# Altium PCB Power_Board_PCB.PcbDoc (part 1 of 3) (continued)
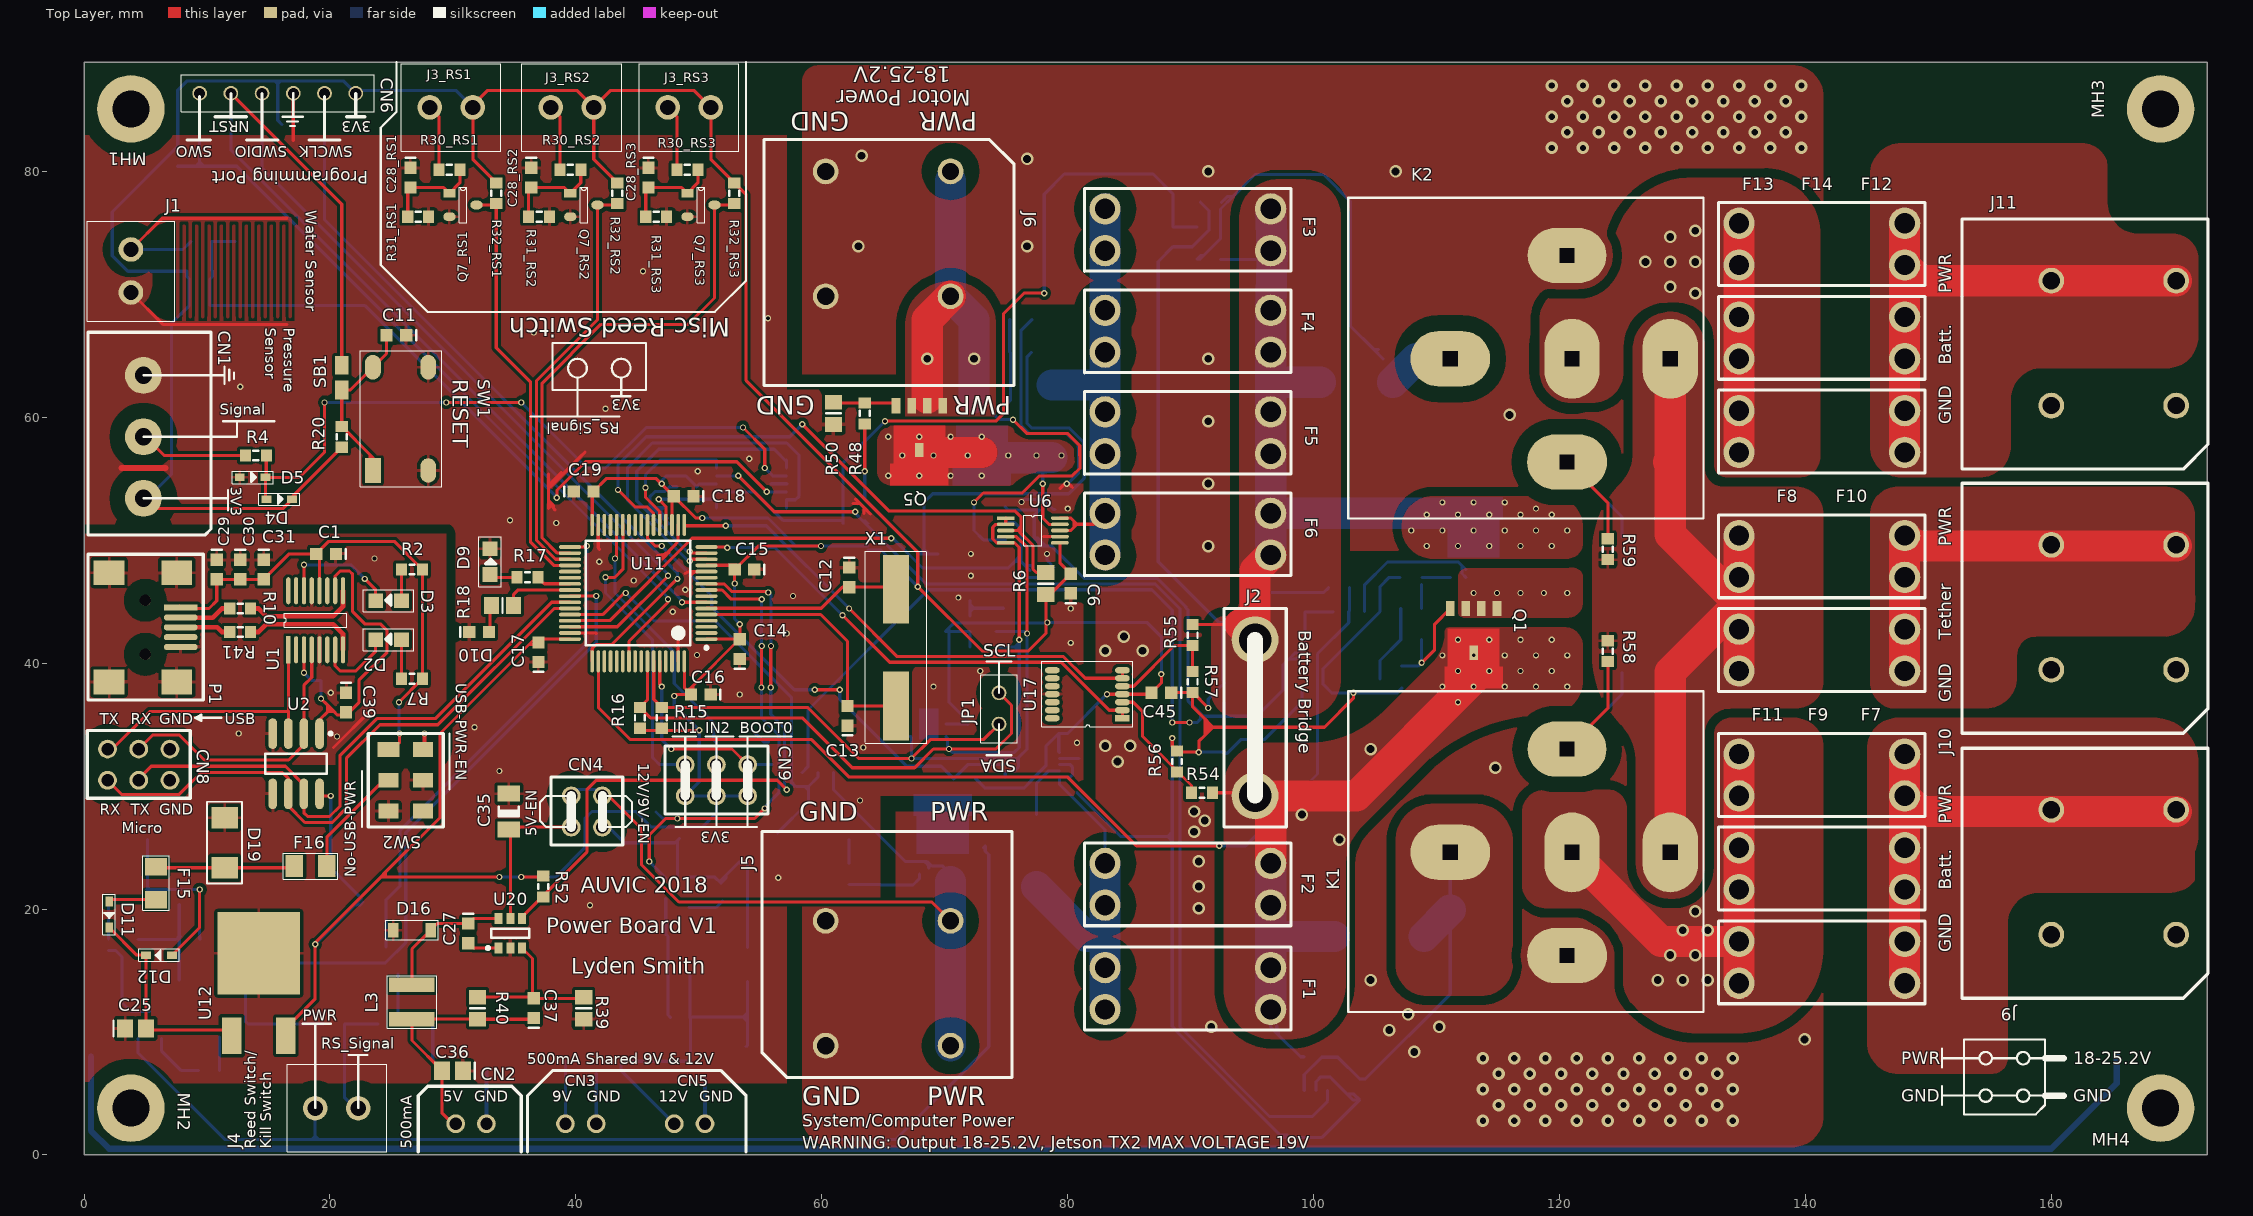
[diagram p0: Top Layer view]
## Design rules (kind name [scope] priority, off if disabled: settings) (continued)
PolygonConnect PolygonConnect_4 [All vs IsNamedPolygon('GND_L02_P367')] p21: thpad.connectstyle=Direct thpad.reliefconductorwidth=0.254 thpad.reliefentries=4 thpad.polygonreliefangle="90 Angle" thpad.airgapwidth=0.254 smdpad.connectstyle=Relief smdpad.reliefconductorwidth=0.254 smdpad.reliefentries=4 smdpad.polygonreliefangle="90 Angle" smdpad.airgapwidth=0.254 via.connectstyle=Direct via.reliefconductorwidth=0.254 via.reliefentries=4 via.polygonreliefangle="90 Angle" via.airgapwidth=0.254
PolygonConnect PolygonConnect_3 [All vs IsNamedPolygon('GND_L01_P217')] p22: thpad.connectstyle=Direct thpad.reliefconductorwidth=0.254 thpad.reliefentries=4 thpad.polygonreliefangle="90 Angle" thpad.airgapwidth=0.254 smdpad.connectstyle=Relief smdpad.reliefconductorwidth=0.254 smdpad.reliefentries=4 smdpad.polygonreliefangle="90 Angle" smdpad.airgapwidth=0.254 via.connectstyle=Direct via.reliefconductorwidth=0.254 via.reliefentries=4 via.polygonreliefangle="90 Angle" via.airgapwidth=0.254
PolygonConnect PolygonConnect_2 [All vs IsNamedPolygon('GND_L02_P235')] p23: thpad.connectstyle=Direct thpad.reliefconductorwidth=0.254 thpad.reliefentries=4 thpad.polygonreliefangle="90 Angle" thpad.airgapwidth=0.254 smdpad.connectstyle=Relief smdpad.reliefconductorwidth=0.254 smdpad.reliefentries=4 smdpad.polygonreliefangle="90 Angle" smdpad.airgapwidth=0.254 via.connectstyle=Relief via.reliefconductorwidth=0.254 via.reliefentries=4 via.polygonreliefangle="90 Angle" via.airgapwidth=0.254
PolygonConnect PolygonConnect_1 [All vs IsNamedPolygon('GND-USB_L01_P233')] p24: thpad.connectstyle=Direct thpad.reliefconductorwidth=0.254 thpad.reliefentries=4 thpad.polygonreliefangle="90 Angle" thpad.airgapwidth=0.254 smdpad.connectstyle=Relief smdpad.reliefconductorwidth=0.254 smdpad.reliefentries=4 smdpad.polygonreliefangle="90 Angle" smdpad.airgapwidth=0.254 via.connectstyle=Relief via.reliefconductorwidth=0.254 via.reliefentries=4 via.polygonreliefangle="90 Angle" via.airgapwidth=0.254
PolygonConnect [All] p25: connectstyle=Direct reliefconductorwidth=0.254 reliefentries=4 polygonreliefangle="90 Angle" airgapwidth=0.254
RoomDefinition USB [InComponentClass('USB')] p1: confinementstyle=ConfineIn formatcopy=TRUE lockcomponents=FALSE outline -1.27,24.13 31.75,24.13 31.75,53.975 -1.27,53.975
RoomDefinition RS3 [InComponentClass('RS3')] p2: confinementstyle=ConfineIn formatcopy=TRUE lockcomponents=FALSE outline 43.998,74.422 54.158,74.422 54.158,89.662 43.998,89.662
RoomDefinition RS2 [InComponentClass('RS2')] p3: confinementstyle=ConfineIn formatcopy=TRUE lockcomponents=FALSE outline 34.473,74.422 44.633,74.422 44.633,89.662 34.473,89.662
RoomDefinition RS1 [InComponentClass('RS1')] p4: confinementstyle=ConfineIn formatcopy=TRUE lockcomponents=FALSE outline 24.638,74.422 34.798,74.422 34.798,89.662 24.638,89.662
RoutingVias [All] p1: holewidth=0.254 width=0.508 viastyle="Through Hole" minholewidth=0.203 minwidth=0.254 maxholewidth=0.711 maxwidth=1.27
SolderMaskExpansion [All] p1: expansion=0.102 istentingtop=FALSE
Width [All] p1: maxlimit=2.54 minlimit=0.254 preferedwidth=0.254 minimp=50.000000 maximp=50.000000 favimp=50.000000
28 further rules are at their usual default settings.

## Classes and differential pairs
channel class Reed_Switch_Input: RS1 RS2 RS3
net class Reed-Switch-Input[1..3]: Reed-Switch-Input1 Reed-Switch-Input2 Reed-Switch-Input3
component class USB: C1 C2 C29 C30 C31 C39 C40 CN8 D2 D3 R2 R7 R10 R41 U1 U2
component class Sensors: C3 C4 C5 C6 C45 C46 C47 C48 CN1 D1 D4 D5 D6 D14 D15 J1 R1 R3 R4 R5 R6 R38 U3 U4 U5 U6 U7 U16 U17 U18
component class RS3: C28_RS3 J3_RS3 Q7_RS3 R30_RS3 R31_RS3 R32_RS3
component class RS2: C28_RS2 J3_RS2 Q7_RS2 R30_RS2 R31_RS2 R32_RS2
component class RS1: C28_RS1 J3_RS1 Q7_RS1 R30_RS1 R31_RS1 R32_RS1
component class Power: C20 C21 C22 C23 C24 C25 C26 C27 C32 C33 C34 C35 C36 C37 C38 CN2 CN3 CN4 CN5 D11 D12 D13 D16 D19 F15 F16 J4 L1 L2 L3 Q6 Q8 Q9 R24 R25 R26 R27 R28 R29 R33 R34 R35 R36 R39 R40 R52 R53 SW2 U12 U13 U14 U15 U20
component class Micro: C11 C12 C13 C14 C15 C16 C17 C18 C19 CN6 CN9 D9 D10 MH2 MH4 R13 R14 R15 R16 R17 R18 R19 R20 R21 R22 R23 SB1 SW1 U11 X1
component class Batteries: C7 C8 C9 C10 C41 C42 C43 C44 D7 D8 D17 D18 F1 F2 F3 F4 F5 F6 F7 F8 F9 F10 F11 F12 F13 F14 J2 J5 J6 J9 J10 K1 K2 Q1 Q2 Q3 Q4 Q5 R8 R9 R11 R12 R42 R43 R44 R45 R46 R47 R48 R49 R50 R51 R54 R55 R56 R57 R58 R59 R60 R61 R62 U8 U9 U10
differential pair USB_Data: +USB_Data_P -USB_Data_N
differential pair Con_USB_Data: +Con_USB_Data_P -Con_USB_Data_N

## Components (designator, comment, footprint, x,y, rotation, side; value= is the part's Value field where it differs from the comment)
C1 "0.1μF" "CAPC1608N(0603\")" 19.685,48.895 r180 top value=0.1µF
C2 "0.1μF" "CAPC1608N(0603\")" 20.066,38.608 r180 bottom value=0.1µF
C3 "0.1μF" "CAPC1608N(0603\")" 70.256,43.586 r270 bottom value=0.1µF
C4 "0.1μF" "CAPC1608N(0603\")" 78.486,34.29 r0 bottom value=0.1µF
C5 "0.1μF" "CAPC1608N(0603\")" 72.136,35.814 r270 bottom value=0.1µF
C6 "0.1μF" "CAPC1608N(0603\")" 80.264,46.482 r90 top value=0.1µF
C7 "1μF" "CAPC1608N(0603\")" 92.71,37.63 r270 bottom value=1µF
C8 "10µF" "CAPC3216N(1206\")" 99.06,39.37 r90 bottom
C9 "10µF" "CAPC3216N(1206\")" 60.325,33.655 r180 bottom
C10 "10µF" "CAPC3216N(1206\")" 78.74,50.267 r180 bottom
C11 "0.1μF" "CAPC1608N(0603\")" 25.4,66.675 r180 top value=0.1µF
C12 "30pF" "CAPC1608N(0603\")" 62.23,46.99 r270 top
C13 "30pF" "CAPC1608N(0603\")" 62.103,35.725 r90 top
C14 "0.1μF" "CAPC1608N(0603\")" 53.34,41.148 r90 top value=0.1µF
C15 "0.1μF" "CAPC1608N(0603\")" 53.721,47.625 r180 top value=0.1µF
C16 "0.1μF" "CAPC1608N(0603\")" 50.165,37.465 r180 top value=0.1µF
C17 "1μF" "CAPC1608N(0603\")" 36.957,40.894 r90 top value=1µF
C18 "0.1μF" "CAPC1608N(0603\")" 48.768,53.594 r180 top value=0.1µF
C19 "1μF" "CAPC1608N(0603\")" 40.64,53.975 r0 top value=1µF
C20 "0.1μF" "CAPC1608N(0603\")" 16.256,9.906 r90 bottom value=0.1µF
C21 "0.1μF" "CAPC1608N(0603\")" 29.21,7.747 r180 bottom value=0.1µF
C22 "180pF" "CAPC1608N(0603\")" 8.636,17.526 r0 bottom
C23 "10µF" "CAPC2012N(0805\")" 4.318,25.654 r0 bottom
C24 "2.2µF" "CAPC1608N(0603\")" 2.286,13.208 r0 bottom
C25 "22µF" "CAPC2012N(0805\")" 4.191,10.287 r0 top
C26 "0.015uF" "CAPC1608N(0603\")" 51.816,21.336 r270 bottom
C27 "0.015uF" "CAPC1608N(0603\")" 31.242,18.034 r270 top
C28_RS1 "0.1μF" "CAPC1608N(0603\")" 26.543,79.502 r270 top value=0.1µF (schematic designator C28)
C28_RS2 "0.1μF" "CAPC1608N(0603\")" 36.378,79.502 r270 top value=0.1µF (schematic designator C28)
C28_RS3 "0.1μF" "CAPC1608N(0603\")" 45.903,79.502 r270 top value=0.1µF (schematic designator C28)
C29 "1μF" "CAPC1608N(0603\")" 10.795,47.625 r270 top value=1µF
C30 "0.1μF" "CAPC1608N(0603\")" 12.7,47.625 r270 top value=0.1µF
C31 "0.1μF" "CAPC1608N(0603\")" 14.605,47.625 r270 top value=0.1µF
C32 "10µF" "CAPC3216N(1206\")" 53.848,7.366 r90 bottom
C33 "0.33μF" "CAPC1608N(0603\")" 49.276,6.858 r90 bottom value=0.33µF
C34 "0.1uF, 50V, 10%, X7R, 1608" "CAPC1608N(0603\")" 48.514,11.176 r180 bottom
C35 "4.7uF" "CAPC3216N(1206\")" 34.544,27.94 r270 top
C36 "10µF" "CAPC2012N(0805\")" 29.972,6.858 r180 top
C37 "0.1uF, 50V, 10%, X7R, 1608" "CAPC1608N(0603\")" 36.576,11.938 r90 top
C38 "4.7uF" "CAPC3216N(1206\")" 50.038,25.146 r180 bottom
C39 "0.1μF" "CAPC1608N(0603\")" 21.311,36.805 r270 top value=0.1µF
C40 "0.1μF" "CAPC1608N(0603\")" 19.304,25.908 r0 bottom value=0.1µF
C41 "22µF" "CAPC2012N(0805\")" 92.71,33.528 r90 bottom
C42 "1μF" "CAPC1608N(0603\")" 99.314,44.958 r270 bottom value=1µF
C43 "1μF" "CAPC1608N(0603\")" 59.69,36.195 r180 bottom value=1µF
C44 "1μF" "CAPC1608N(0603\")" 78.181,52.502 r180 bottom value=1µF
C45 "0.1μF" "CAPC1608N(0603\")" 87.63,37.592 r180 top value=0.1µF
C46 "0.1μF" "CAPC1608N(0603\")" 49.022,54.356 r0 bottom value=0.1µF
C47 "0.1µF" "CAPC2012N(0805\")" 91.669,77.495 r0 bottom
C48 "0.1µF" "CAPC2012N(0805\")" 103.759,5.334 r90 bottom
CN1 "3x1, Terminal Block, Pitch: 5mm, Screw, THT" "3x1, Terminal Block, Pitch: 5mm, Screw, THT" 4.826,58.42 r90 top
CN2 "1x2, JST B2B-EH-A, Pads Pitch: 0.098\" (2.50mm), Through Hole" "Male JST B2B-EH-A" 30.226,2.54 r0 top
CN3 "1x2, JST B2B-EH-A, Pads Pitch: 0.098\" (2.50mm), Through Hole" "Male JST B2B-EH-A" 39.156,2.54 r0 top
CN4 "Header, Male, 2x2, Pitch: 0.1\" (2.54mm), THT" "Header, Male, 2x2, Pitch: 0.1\" (2.54mm),THT" 42.164,29.21 r0 top
CN5 "1x2, JST B2B-EH-A, Pads Pitch: 0.098\" (2.50mm), Through Hole" "Male JST B2B-EH-A" 48.006,2.54 r0 top
CN6 "Header Male 1x6" "Header, Male, 1X6" 22.098,86.36 r180 top
CN8 "Header, Male, 2x3, Pitch: 0.1\" (2.54mm), THT" "Header, Male, 2x3, Pitch: 0.1\" (2.54mm),THT" 4.445,33.02 r0 top
CN9 "Header, Male, 2x3, Pitch: 0.1\" (2.54mm), THT" "Header, Male, 2x3, Pitch: 0.1\" (2.54mm),THT" 51.435,31.75 r0 top
D1 "CUS08F30H3FCT-ND" SC-76 9.398,71.882 r180 bottom
D2 "Red" LED0805 24.765,41.91 r180 top
D3 "Red" LED0805 24.765,45.085 r180 top
D4 "CUS08F30H3FCT-ND" SC-76 15.875,53.34 r0 top
D5 "CUS08F30H3FCT-ND" SC-76 13.716,55.118 r0 top
D6 "CUS08F30H3FCT-ND" SC-76 13.335,74.295 r180 bottom
D7 "CUS08F30H3FCT-ND" SC-76 95.25,33.782 r90 bottom
D8 "CUS08F30H3FCT-ND" SC-76 95.25,37.592 r270 bottom
D9 "Red" LED0805 33.02,48.26 r90 top
D10 "Blue" LED0603 32.131,42.545 r180 top
D11 "CUS08F30H3FCT-ND" SC-76 2.032,19.558 r270 top
D12 "CUS08F30H3FCT-ND" SC-76 6.096,16.256 r180 top
D13 "RB060M-60TR" SOD-123 53.975,25.4 r270 bottom
D14 "DB2J31400L" SODFL250X80-2N 61.722,50.292 r270 bottom
D15 "DB2J31400L" SODFL250X80-2N 63.754,50.292 r270 bottom
D16 "RB060M-60TR" SOD-123 26.67,18.288 r0 top
D17 "DA2S10400L, SOD323F / SC-90" SODFL535X110-2N 125.095,41.275 r270 bottom
D18 "DA2S10400L, SOD323F / SC-90" SODFL535X110-2N 125.095,48.26 r90 bottom
D19 "#NAME?" DO-214AA 11.43,25.4 r270 top
F1 "#NAME?" "MINI BLADE FUSEHOLDER" 83.05,15.24 r0 top
F2 "#NAME?" "MINI BLADE FUSEHOLDER" 83.05,23.72 r0 top
F3 "#NAME?" "MINI BLADE FUSEHOLDER" 83.05,76.962 r0 top
F4 "#NAME?" "MINI BLADE FUSEHOLDER" 83.05,68.707 r0 top
F5 "#NAME?" "MINI BLADE FUSEHOLDER" 83.05,60.452 r0 top
F6 "#NAME?" "MINI BLADE FUSEHOLDER" 83.05,52.197 r0 top
F7 "#NAME?" "MINI BLADE FUSEHOLDER" 148.09,13.97 r180 top
F8 "#NAME?" "MINI BLADE FUSEHOLDER" 148.09,46.99 r180 top
F9 "#NAME?" "MINI BLADE FUSEHOLDER" 148.09,21.59 r180 top
F10 "#NAME?" "MINI BLADE FUSEHOLDER" 148.09,39.37 r180 top
F11 "#NAME?" "MINI BLADE FUSEHOLDER" 148.09,29.21 r180 top
F12 "#NAME?" "MINI BLADE FUSEHOLDER" 148.09,57.15 r180 top
F13 "#NAME?" "MINI BLADE FUSEHOLDER" 148.09,72.39 r180 top
F14 "#NAME?" "MINI BLADE FUSEHOLDER" 148.09,64.77 r180 top
F15 "#NAME?" "1206 SMD" 5.842,22.098 r270 top
F16 "#NAME?" "1206 SMD" 18.415,23.495 r180 top
J1 "2x1 Term Block" "2X1 Terminal Blocks" 3.81,73.66 r270 top
J2 "12AWG Wire Bridge" "12AWG Wire Bridge" 95.25,29.21 r90 top
J3_RS1 "2x1 Term Block" "2X1 Terminal Blocks" 31.623,85.217 r180 top (schematic designator J3)
J3_RS2 "2x1 Term Block" "2X1 Terminal Blocks" 41.458,85.217 r180 top (schematic designator J3)
J3_RS3 "2x1 Term Block" "2X1 Terminal Blocks" 50.983,85.217 r180 top (schematic designator J3)
J4 "2x1 Term Block" "2X1 Terminal Blocks" 18.796,3.81 r0 top
J5 "2x1 Term Block" "2x1 Terminal Blocks EM2929" 60.325,8.89 r0 top
J6 "2x1 Term Block" "2x1 Terminal Blocks EM2929" 70.485,80.01 r180 top
J9 "2x1 Term Block" "2x1 Terminal Blocks EM2929" 170.18,17.92 r90 top
J10 "2x1 Term Block" "2x1 Terminal Blocks EM2929" 170.18,39.472 r90 top
J11 "2x1 Term Block" "2x1 Terminal Blocks EM2929" 170.18,60.96 r90 top
JP1 "1X2 Pin Head" "2X1 Males Header" 74.422,35.052 r90 top
K1 "Relay - 24V, 40A" "1432871-1 RELAY FOOTPRINT" 129.032,24.62 r180 top
K2 "Relay - 24V, 40A" "1432871-1 RELAY FOOTPRINT" 129.032,64.77 r180 top
L1 "150µH" "CB - 1007 (2518)" 3.556,21.844 r0 bottom
L2 "10µH" "NR4018T6R8M Inductor" 54.356,15.494 r270 bottom
L3 "6.8µH" "NR4018T6R8M Inductor" 26.67,12.446 r270 top
MH1 "3mm" Mount-Hole_3mm#1 3.81,78.74 r0 top
MH2 "3mm" Mount-Hole_3mm#2 3.81,10.16 r0 top
MH3 "3mm" Mount-Hole_3mm#3 168.91,79.375 r0 top
MH4 "3mm" Mount-Hole_3mm#4 168.91,9.271 r0 top
P1 "Mini B USB Port" "Mini B USB Footprint" 4.944,42.921 r270 top
Q1 "MOSFET N-Channel, 40V, 100A, 272W" LFPAK-PowerSO8 114.935,44.45 r180 top
Q2 "MOSFET N-Channel, 40V, 100A, 272W" LFPAK-PowerSO8 114.935,46.99 r180 bottom
Q3 "MOSFET N-Channel, 40V, 100A, 272W" LFPAK-PowerSO8 71.12,60.96 r0 bottom
Q4 "MOSFET N-Channel, 40V, 100A, 272W" LFPAK-PowerSO8 71.755,22.86 r180 bottom
Q5 "MOSFET N-Channel, 40V, 100A, 272W" LFPAK-PowerSO8 69.85,60.96 r180 top
Q6 "BC846B,215" SOT-23 13.235,10.663 r180 bottom
Q7_RS1 "BC846B,215" SOT-23 29.818,78.227 r0 top (schematic designator Q7)
Q7_RS2 "BC846B,215" SOT-23 39.653,78.227 r0 top (schematic designator Q7)
Q7_RS3 "BC846B,215" SOT-23 49.178,78.227 r0 top (schematic designator Q7)
Q8 "BC856A,215" SOT-23 6.284,9.584 r90 bottom
Q9 "BC846B,215" SOT-23 25.522,14.832 r90 bottom
R1 "10k" "RESC1608N(0603\")" 9.398,69.088 r180 bottom
R2 "1k" "RESC1608N(0603\")" 26.67,47.625 r0 top
R3 "100" "RESC1608N(0603\")" 9.525,74.295 r180 bottom
R4 "1k" "RESC1608N(0603\")" 13.97,56.896 r180 top
R5 "100k" "RESC2012N(0805\")" 71.628,30.607 r0 bottom
R6 "100k" "RESC2012N(0805\")" 78.232,46.482 r270 top
R7 "1k" "RESC1608N(0603\")" 26.67,38.735 r0 top
R8 "0.0003" "RESC6332N(2512\")" 104.648,17.78 r0 bottom
R9 "0.0003" "RESC6332N(2512\")" 103.505,62.865 r180 bottom
R10 "27" "RESC1608N(0603\")" 12.7,44.45 r0 top
R11 "0.0003" "RESC6332N(2512\")" 77.47,24.765 r270 bottom
R12 "0.0003" "RESC6332N(2512\")" 78.867,59.69 r270 bottom
R13 "10k" "RESC1608N(0603\")" 20.32,80.518 r180 bottom
R14 "10k" "RESC1608N(0603\")" 15.24,83.82 r0 bottom
R15 "3.32k" "RESC1608N(0603\")" 46.99,35.56 r90 top
R16 "3.32k" "RESC1608N(0603\")" 45.212,35.56 r90 top
R17 "715R" "RESC1608N(0603\")" 36.068,46.99 r0 top
R18 "680" "RESC2012N(0805\")" 34.036,44.704 r0 top
R19 "10k" "RESC1608N(0603\")" 7.62,81.28 r90 bottom
R20 "100k" "RESC1608N(0603\")" 20.955,58.42 r270 top
R21 "10k" "RESC1608N(0603\")" 46.482,31.242 r90 bottom
R22 "10k" "RESC1608N(0603\")" 52.07,33.782 r180 bottom
R23 "10k" "RESC1608N(0603\")" 55.626,32.766 r270 bottom
R24 "100k" "RESC1608N(0603\")" 20.32,10.668 r0 bottom
R25 "10k" "RESC1608N(0603\")" 13.97,15.24 r0 bottom
R26 "100k" "RESC1608N(0603\")" 24.765,10.668 r180 bottom
R27 "100k" "RESC1608N(0603\")" 10.16,6.858 r180 bottom
R28 "100k" "RESC1608N(0603\")" 23.534,20.574 r180 bottom
R29 "100k" "RESC1608N(0603\")" 29.21,10.668 r180 bottom
R30_RS1 "10k" "RESC1608N(0603\")" 29.718,80.137 r180 top (schematic designator R30)
R30_RS2 "10k" "RESC1608N(0603\")" 39.553,80.137 r180 top (schematic designator R30)
R30_RS3 "10k" "RESC1608N(0603\")" 49.078,80.137 r180 top (schematic designator R30)
R31_RS1 "10k" "RESC1608N(0603\")" 27.178,76.327 r180 top (schematic designator R31)
R31_RS2 "10k" "RESC1608N(0603\")" 37.013,76.327 r180 top (schematic designator R31)
R31_RS3 "10k" "RESC1608N(0603\")" 46.538,76.327 r180 top (schematic designator R31)
R32_RS1 "10k" "RESC1608N(0603\")" 33.528,78.232 r90 top (schematic designator R32)
R32_RS2 "10k" "RESC1608N(0603\")" 43.363,78.232 r90 top (schematic designator R32)
R32_RS3 "10k" "RESC1608N(0603\")" 52.888,78.232 r90 top (schematic designator R32)
R33 "140kR" "RESC1005N(0402\")" 7.62,20.99 r90 bottom
R34 "24k" "RESC2012N(0805\")" 8.636,14.224 r180 bottom
R35 "510" "RESC2012N(0805\")" 48.26,17.78 r180 bottom
R36 "7.5k" "RESC2012N(0805\")" 48.514,14.732 r180 bottom
R37 "453kR" "RESC1608N(0603\")" 88.57,74.727 r90 bottom
R38 "453kR" "RESC1608N(0603\")" 98.044,2.286 r90 bottom
R39 "680" "RESC2012N(0805\")" 40.64,11.938 r90 top
R40 "3.9k" "RESC2012N(0805\")" 32.004,11.938 r90 top
R41 "27" "RESC1608N(0603\")" 12.7,42.545 r0 top
R42 "20.5" "RESC1608N(0603\")" 107.95,41.91 r0 bottom
R43 "20.5" "RESC1608N(0603\")" 107.95,44.45 r0 bottom
R44 "100k" "RESC2012N(0805\")" 107.188,38.862 r90 bottom
R45 "100k" "RESC2012N(0805\")" 107.95,46.99 r0 bottom
R46 "20.5" "RESC1608N(0603\")" 76.2,65.278 r180 bottom
R47 "20.5" "RESC1608N(0603\")" 62.23,22.86 r90 bottom
R48 "20.5" "RESC1608N(0603\")" 63.5,60.325 r90 top
R49 "100k" "RESC2012N(0805\")" 76.2,67.945 r180 bottom
R50 "100k" "RESC2012N(0805\")" 60.96,60.325 r90 top
R51 "100k" "RESC2012N(0805\")" 64.77,22.86 r270 bottom
R52 "20kR" "RESC1608N(0603\")" 37.338,21.844 r90 top
R53 "20kR" "RESC1608N(0603\")" 45.72,27.94 r180 bottom
R54 "90.9kR" "RESC1608N(0603\")" 90.932,29.464 r180 top
R55 "90.9kR" "RESC1608N(0603\")" 90.17,42.291 r270 top
R56 "10k" "RESC1608N(0603\")" 88.9,32.004 r90 top
R57 "10k" "RESC1608N(0603\")" 90.17,38.481 r270 top
R58 "20.5" "RESC1608N(0603\")" 123.952,40.982 r270 top
R59 "20.5" "RESC1608N(0603\")" 123.952,49.276 r90 top
R60 "10k" "RESC1608N(0603\")" 102.083,46.152 r180 bottom
R61 "10k" "RESC1608N(0603\")" 78.029,47.803 r0 bottom
R62 "10k" "RESC1608N(0603\")" 56.413,25.349 r270 bottom
SB1 "Solder Bridge" "Solder Bridge" 20.955,62.23 r180 top
SW1 "SPST" 4-SPST-NO 23.495,55.88 r90 top
SW2 "" CL-2B-22A 26.162,30.48 r90 top
U1 "FT230X" SSOP16 16.612,41.097 r90 top
U2 "UART Isolator" SOIC-SN8_M 17.247,31.826 r270 top
U3 "Quad Op Amp LMV324LIPT" TSSOP14 51.435,52.645 r0 bottom
U4 "Pressure Sensor" "TE Pressure Sensor (MS560702BA03-50)" 72.068,41.346 r0 bottom
U5 "High side current sensor" MSOP-10 74.93,30.75 r0 bottom
U6 "High side current sensor" MSOP-10 74.975,51.8 r0 top
U7 "I2C Humidity and Temperature Sensor" QFN-6 67.204,34.052 r0 bottom
U8 "Gate Driver" "SOC 8" 101.6,44.195 r270 bottom
U9 "Gate Driver" "SOC 8" 58.42,31.115 r270 bottom
U10 "Gate Driver" "SOC 8" 74.93,52.705 r180 bottom
U11 "STM32F091RCT6" STM-LQFP64_N 45.073,45.708 r180 top
U12 "3.3V Lin Reg 30Vin" T0-252 14.208,16.403 r270 top
U13 "RT6208GE" SOT23-6_L 3.175,16.637 r180 bottom
U14 "DC-DC" SOT23-6_L 48.26,21.336 r90 bottom
U15 "9V Linear Regulator" DPAK229P991X238-3N 41.398,12.01 r90 bottom
U16 "INA168, Current Sensor, High-Side, Analog" SOT23-5 91.491,74.219 r0 bottom
U17 "Quad Op Amp LMV324LIPT" TSSOP14 84.455,35.53 r180 top
U18 "INA168, Current Sensor, High-Side, Analog" SOT23-5 100.203,6.604 r180 bottom
U20 "DC-DC" SOT23-6_L 34.671,18.034 r90 top
X1 "8MHz" HC49/US 66.04,41.275 r270 top

## Footprints (in the part's own frame and the unit in brackets; to place one, negate y for a bottom-side part, rotate by r counter-clockwise, add the part's x,y. Pads: shape width x height; smd on the part's side, far side on the other; paste and mask are expansions set on the pad)
"2X1 Males Header" [mm]
  round 1.2 hole 0.9: 1(0,0) 2(2.54,0)
  silkscreen extent -1.5,-1.5 4,1.5, body extent -1.27,-1.24 3.81,1.25, height 8.54
"2X1 Terminal Blocks" [mm] "ED2740-ND"
  round 2 hole 1.24: 1(0,0) 2(3.5,0)
  silkscreen extent -2.29,-3.56 5.84,3.56, body extent -2.22,-3.44 5.78,3.56, height 8.4
"2x1 Terminal Blocks EM2929" [mm] "EM2929 02-L"
  round 2.1 hole 1.4: 1(0,0) 1(0,10.16) 2(10.16,0) 2(10.16,10.16)
  silkscreen extent -5.17,-2.58 15.17,17.42
"3x1, Terminal Block, Pitch: 5mm, Screw, THT" [mm]
  round 3 hole 1.4: 1(-5,0) 2(0,0) 3(5,0)
  silkscreen extent -8,-5.5 8.5,4.5, body extent -7.49,-5 8.08,4, height 11.4
4-SPST-NO [mm]
  rect 2x1.3 smd: 1(-0.2,0)
  oval 2x1.3 smd: 2(8.2,0) 3(-0.2,-4.5) 4(8.2,-4.5)
  silkscreen extent -1.52,-5.59 9.53,1.02, body extent -0.56,-5.29 8.44,0.71, height 5
"12AWG Wire Bridge" [mil]
  round 150 hole 104: 1(0,0) 2(500,0)
"1206 SMD" [mm]
  rect 1.42x1.78 smd: 1(-1.33,0) 2(1.33,0)
  silkscreen extent -2.22,-1.07 2.21,1.07, body extent -1.6,-0.8 1.6,0.8, height 0.6
"1432871-1 RELAY FOOTPRINT" [mm]
  oval 6.5x4.5 hole 1.2 square: 30(17.9,0) 85(8.4,8.4)
  oval 6.4x4.5 hole 1.2 square: 86(8.4,-8.4)
  oval 4.5x6.5 hole 1.2 square: 87(0,0) 87a(8,0)
  silkscreen extent -2.7,-13.1 26.2,13, body extent -2.7,-13 26.2,12.9, height 10.55
"CAPC1608N(0603\")" [mm] "Chip Capacitor, Body 1.6x0.8mm (0603\"), IPC Medium Density"
  rect 1x1 smd: 1(-0.8,0) 2(0.8,0)
  silkscreen extent -1.6,-0.4 -1.6,0.4, body extent -0.8,-0.4 0.8,0.4, height 0.9
"CAPC2012N(0805\")" [mm] "Chip Capacitor, Body 2.0x1.3mm (0805\"), IPC Medium Density"
  rect 1.3x1.5 smd: 1(-0.85,0) 2(0.85,0)
  silkscreen extent -1.8,-0.65 -1.8,0.65, body extent -1,-0.62 1,0.63, height 1
"CAPC3216N(1206\")" [mm] "Chip Capacitor, Body 3.2x1.6mm (1206\"), IPC Medium Density"
  rect 1.3x1.8 smd: 1(-1.45,0) 2(1.45,0)
  silkscreen extent -0.4,-0.8 0.4,0.8, body extent -1.6,-0.8 1.6,0.8, height 1
"CB - 1007 (2518)" [mm]
  rect 1.2x2.5 smd: 1(-1.5,0) 2(1.5,0)
  silkscreen extent -2.22,-1.38 2.22,1.38
CL-2B-22A [mm]
  rect 1.2x1.6 smd: 1(-2.5,-1.4) 2(0,-1.4) 3(2.5,-1.4) 4(-2.5,1.4) 5(0,1.4)
  rect 1.2x1.8 smd: 6(2.5,1.4)
DO-214AA [mil]
  rect 70x85 smd: A(-80,0) K(80,0)
  silkscreen extent -131,-56 131,56
DPAK229P991X238-3N [mm] "D-PAK, 3-Pads, Body 6.21x6.73mm (max), IPC Medium Density"
  rect 3x1.6 smd: 1(-4.39,2.29) 3(-4.39,-2.29)
  rect 6.2x5.8 smd: 4(2.79,0)
  silkscreen extent -4.51,-3.35 -0.71,3.77, body extent -3.34,-3.37 6.56,3.37, height 2.38
HC49/US [mm]
  rect 5.6x2.1 smd: 1(-4.75,0) 2(4.75,0)
  silkscreen extent -7.85,-2.5 7.8,2.5, body extent -6.3,-2.4 6.4,2.3, height 4.2
"Header, Male, 1X6" [mm]
  round 1.2 hole 0.9: 1(0,0) 2(2.54,0) 3(5.08,0) 4(7.62,0) 5(10.16,0) 6(12.7,0)
  silkscreen extent -1.5,-1.5 14.2,1.5, body extent -1.27,-1.24 14,1.25, height 8.54
"Header, Male, 2x2, Pitch: 0.1\" (2.54mm),THT" [mil]
  round 60 hole 40: 1(-100,0) 2(0,0) 3(0,-100) 4(-100,-100)
  silkscreen extent -165,-157 65,60, body extent -142,-145 42,47, height 230
"Header, Male, 2x3, Pitch: 0.1\" (2.54mm),THT" [mil]
  round 60 hole 40: 1(-100,0) 2(0,0) 3(100,0) 4(100,-100) 5(0,-100) 6(-100,-100)
  silkscreen extent -165,-157 165,60, body extent -150,-149 150,51, height 330
LED0603 [mm]
  rect 1x1 smd: 1(0.8,0) 2(-0.8,0)
  silkscreen extent 1.55,-0.4 1.55,0.4, body extent -0.8,-0.4 0.8,0.4, height 0.69
LED0805 [mm]
  rect 1.2x1.2 smd: 1(1.05,0) 2(-1.05,0)
  silkscreen extent -2.05,-0.9 2.05,0.9
LFPAK-PowerSO8 [mm] "LFPAK-PowerSO8"
  rect 0.7x1.25 smd: 1(0,0) 2(1.27,0) 3(2.54,0) 4(3.81,0)
  rect 0.7x1.15 smd: 5(1.905,3.6)
  Top Layer region: -0.195,1.625 4.005,1.625 4.005,4.725 4.255,4.725 4.255,6.5 3.74,6.5 3.1,6.5 1.9,6.5 -0.445,6.5 -0.445,4.725 -0.195,4.725
  body extent -0.59,-0.4 4.41,6.2, height 1.09
"Male JST B2B-EH-A" [mil]
  round 60 hole 39.37: 1(0,0) 2(98.43,0)
  body extent -98,-87 197,63, height 236
"Mini B USB Footprint" [mm]
  rect 0.5x2.75 smd: 1(-1.6,2.913)
  oval 0.5x2.75 smd: 2(-0.8,2.913) 3(0,2.913) 4(0.8,2.913) 5(1.6,2.913)
  rect 2x2.5 smd: ""(-4.45,2.588) ""(-4.45,-2.912) ""(4.45,2.588) ""(4.45,-2.912)
  round 0.9 hole 0.95 unplated: ""(-2.2,0.038) ""(2.2,0.038)
  silkscreen extent -5.95,-4.64 5.92,4.74, body extent -4.95,-5.87 4.95,3.37, height 3.93
"MINI BLADE FUSEHOLDER" [mm]
  round 2.55 hole 1.65: 1(0,-3.4) 1(0,0) 2(13.47,-3.4) 2(13.47,0)
  silkscreen extent -1.67,-5.07 15.13,1.67
Mount-Hole_3mm#1 [mm]
  round 5.5 hole 3: 1(0,6.35)
Mount-Hole_3mm#2 [mm]
  round 5.5 hole 3: 1(0,-6.35)
Mount-Hole_3mm#3 [mm]
  round 5.5 hole 3: 1(0,5.715)
Mount-Hole_3mm#4 [mm]
  round 5.5 hole 3: 1(0,-5.461)
MSOP-10 [mm]
  rect 1.45x0.3 smd: 1(0,0)
  oval 1.45x0.3 smd: 2(0,-0.5) 3(0,-1) 4(0,-1.5) 5(0,-2) 6(4.4,-2) 7(4.4,-1.5) 8(4.4,-1) 9(4.4,-0.5) 10(4.4,0)
  silkscreen extent 1.46,-2.25 2.94,0.25, body extent -0.31,-2.5 4.71,0.5, height 1.03
"NR4018T6R8M Inductor" [mm]
  rect 1.2x3.7 smd: 1(-1.4,0) 2(1.4,0)
  silkscreen extent -2.15,-2 2.15,2
QFN-6 [mm]
  rect 0.85x0.45 smd: 1(0,0)
  oval 0.85x0.45 smd: 2(0,-1) 3(0,-2) 4(2.9,-2) 5(2.9,-1) 6(2.9,0)
  Top Layer region: 0.7,0.25 2.3,0.25 2.3,-2.25 0.7,-2.25
  silkscreen extent 0.65,-2.5 2.3,0.5
"RESC1005N(0402\")" [mm] "Chip Resistor, Body 1.1x0.5mm (0402\"), IPC Medium Density"
  rect 0.8x0.7 smd: 1(-0.6,0) 2(0.6,0)
  body extent -0.5,-0.25 0.5,0.25, height 0.35
"RESC1608N(0603\")" [mm] "Chip Resistor, Body 1.6x0.8mm (0603\"), IPC Medium Density"
  rect 0.9x1 smd: 1(-0.85,0) 2(0.85,0)
  silkscreen extent -0.2,-0.4 0.2,0.4, body extent -0.77,-0.42 0.78,0.43, height 0.44
"RESC2012N(0805\")" [mm] "Chip Resistor, Body 2.0x1.3mm (0805\"), IPC Medium Density"
  rect 1.2x1.4 smd: 1(-0.9,0) 2(0.9,0)
  silkscreen extent 0,-0.6 0,0.6, body extent -1,-0.62 1,0.63, height 0.45
"RESC6332N(2512\")" [mm] "Chip Resistor, Body 6.3x3.2mm (2512\"), IPC Medium Density"
  rect 1.3x3.4 smd: 1(-2.95,0) 2(2.95,0)
  silkscreen extent -1.9,-1.6 1.9,1.6, body extent -3.2,-1.6 3.2,1.6, height 0.6
SC-76 [mm]
  rect 0.8x0.6 smd: A(-1.05,0) K(1.05,0)
  silkscreen extent -1.65,-0.5 1.65,0.5, body extent -1.25,-0.65 1.25,0.6, height 0.9
"SOC 8" [mm]
  rect 1.14x0.91 smd: 1(0,0)
  oval 1.14x0.91 smd: 2(0,-1.27) 3(0,-2.54) 4(0,-3.81) 5(5.46,-3.81) 6(5.46,-2.54) 7(5.46,-1.27) 8(5.46,0)
  silkscreen extent 1.3,-4.45 4.16,0.63, body extent -0.33,-4.32 5.67,0.58, height 1.75
SOD-123 [mm]
  rect 0.85x1.2 smd: A(-1.525,0) K(1.525,0)
  silkscreen extent -2.15,-0.8 2.15,0.8
SODFL250X80-2N [mm] "SODFL, 2-Leads, Body 1.25x2.50mm, IPC Medium Density"
  rect 1x0.45 smd: 1(1.075,0) 2(-1.075,0)
  silkscreen extent -1.52,-0.7 0.9,0.7, body extent -1.4,-0.67 1.4,0.68, height 0.75
SODFL535X110-2N [mm] "SODFL, 2-Leads, Body 3.63x5.35mm, IPC Medium Density"
  rect 1.95x2.25 smd: 1(-2.025,0) 2(2.025,0)
  silkscreen extent -3.07,-2 2.3,2, body extent -2.3,-1.97 2.3,1.97, height 1.1
SOIC-SN8_M [mm] "SOIC, 8-Leads, Body 4.9x3.8mm, Pitch 1.27mm, IPC Low Density"
  oval 2.5x0.7 smd: 1(-2.45,1.905) 2(-2.45,0.635) 3(-2.45,-0.635) 4(-2.45,-1.905) 5(2.45,-1.905) 6(2.45,-0.635) 7(2.45,0.635) 8(2.45,1.905)
  silkscreen extent -2.57,-2.5 0.8,2.93, body extent -2,-2.5 2,2.5, height 1.75
"Solder Bridge" [mm]
  rect 1.1x1.524 smd: 1(0,0) 2(0,-2)
SOT23-5 [mm] "SOT23-5 SMT"
  rect 0.6x1.05 smd: 1(-0.95,-1.35) 2(0,-1.35) 3(0.95,-1.35) 4(0.95,1.35) 5(-0.95,1.35)
  silkscreen extent -1.8,-1.4 1.2,0.35
SOT23-6_L [mm] "SOT23, 6-Leads, Body 2.9x1.6mm, Pitch 0.95mm, Lead Span 2.7mm, IPC High Density"
  rect 0.9x0.65 smd: 1(-1.2,0.95) 2(-1.2,0) 3(-1.2,-0.95) 4(1.2,-0.95) 5(1.2,0) 6(1.2,0.95)
  silkscreen extent -1.33,-1.55 0.35,1.95, body extent -0.9,-1.55 0.9,1.55, height 1.45
SOT-23 [mm]
  rect 1x0.7 smd: 1(-0.1,0)
  oval 1x0.7 smd: 2(-0.1,-1.9) 3(2.1,-0.95)
  silkscreen extent 0.7,-2.38 1.3,0.48, body extent -0.25,-2.4 2.25,0.6, height 1.06
SSOP16 [mm]
  rect 2.2x0.345 smd: 1(0,0)
  oval 2.2x0.345 smd: 2(0,-0.635) 3(0,-1.27) 4(0,-1.905) 5(0,-2.54) 6(0,-3.175) 7(0,-3.81) 8(0,-4.445) 9(4.8,-4.445) 10(4.8,-3.81) 11(4.8,-3.175) 12(4.8,-2.54) 13(4.8,-1.905) 14(4.8,-1.27) 15(4.8,-0.635) 16(4.8,0)
  silkscreen extent 1.84,-4.76 2.97,0.32
STM-LQFP64_N [mm] "Thin QFP, 64-Leads, Body 10x10mm, Pitch 0.5mm, IPC Medium Density"
  oval 1.8x0.3 smd: 1(-5.55,3.75) 2(-5.55,3.25) 3(-5.55,2.75) 4(-5.55,2.25) 5(-5.55,1.75) 6(-5.55,1.25) 7(-5.55,0.75) 8(-5.55,0.25) 9(-5.55,-0.25) 10(-5.55,-0.75) 11(-5.55,-1.25) 12(-5.55,-1.75) 13(-5.55,-2.25) 14(-5.55,-2.75) 15(-5.55,-3.25) 16(-5.55,-3.75) 33(5.55,-3.75) 34(5.55,-3.25) 35(5.55,-2.75) 36(5.55,-2.25) 37(5.55,-1.75) 38(5.55,-1.25) 39(5.55,-0.75) 40(5.55,-0.25) 41(5.55,0.25) 42(5.55,0.75) 43(5.55,1.25) 44(5.55,1.75) 45(5.55,2.25) 46(5.55,2.75) 47(5.55,3.25) 48(5.55,3.75)
  oval 0.3x1.8 smd: 17(-3.75,-5.55) 18(-3.25,-5.55) 19(-2.75,-5.55) 20(-2.25,-5.55) 21(-1.75,-5.55) 22(-1.25,-5.55) 23(-0.75,-5.55) 24(-0.25,-5.55) 25(0.25,-5.55) 26(0.75,-5.55) 27(1.25,-5.55) 28(1.75,-5.55) 29(2.25,-5.55) 30(2.75,-5.55) 31(3.25,-5.55) 32(3.75,-5.55) 49(3.75,5.55) 50(3.25,5.55) 51(2.75,5.55) 52(2.25,5.55) 53(1.75,5.55) 54(1.25,5.55) 55(0.75,5.55) 56(0.25,5.55) 57(-0.25,5.55) 58(-0.75,5.55) 59(-1.25,5.55) 60(-1.75,5.55) 61(-2.25,5.55) 62(-2.75,5.55) 63(-3.25,5.55) 64(-3.75,5.55)
  silkscreen extent -5.68,-4.25 4.25,4.57, body extent -6.07,-6.07 6.07,6.07, height 1.62
T0-252 [mm]
  rect 6.7x6.7 smd: 1(0,0)
  rect 3x1.6 smd: 2(6.7,-2.2) 3(6.7,2.2)
  body extent -2.7,-3.47 7.4,3.27, height 2.37
"TE Pressure Sensor (MS560702BA03-50)" [mm]
  rect 0.9x0.5 smd: 1(0,0)
  oval 0.9x0.5 smd: 2(0,-1.25) 3(0,-2.5) 4(0,-3.75) 5(2.1,-3.75) 6(2.1,-2.5) 7(2.1,-1.25) 8(2.1,0)
  silkscreen extent -0.72,-4.38 2.83,0.82
TSSOP14 [mm]
  rect 1.2x0.5 smd: 1(0,0)
  oval 1.2x0.5 smd: 2(0,-0.65) 3(0,-1.3) 4(0,-1.95) 5(0,-2.6) 6(0,-3.25) 7(0,-3.9) 8(5.7,-3.9) 9(5.7,-3.25) 10(5.7,-2.6) 11(5.7,-1.95) 12(5.7,-1.3) 13(5.7,-0.65) 14(5.7,0)
  silkscreen extent -0.86,-4.62 6.55,0.71, body extent -0.33,-4.46 6.07,0.54, height 1.1